# Altium PCB PCB.PcbDoc (part 3 of 3)
Units mil, origin at the board's own origin, x right, y up, seen from the top; angles counter-clockwise.
Board outline 13351.32 x 5672.75 mil, 2 copper layers (Top Layer, Bottom Layer); 207 components, 228 nets, 1294 pads, 403 vias.
Unrouted connection lines stored in the file: 75.
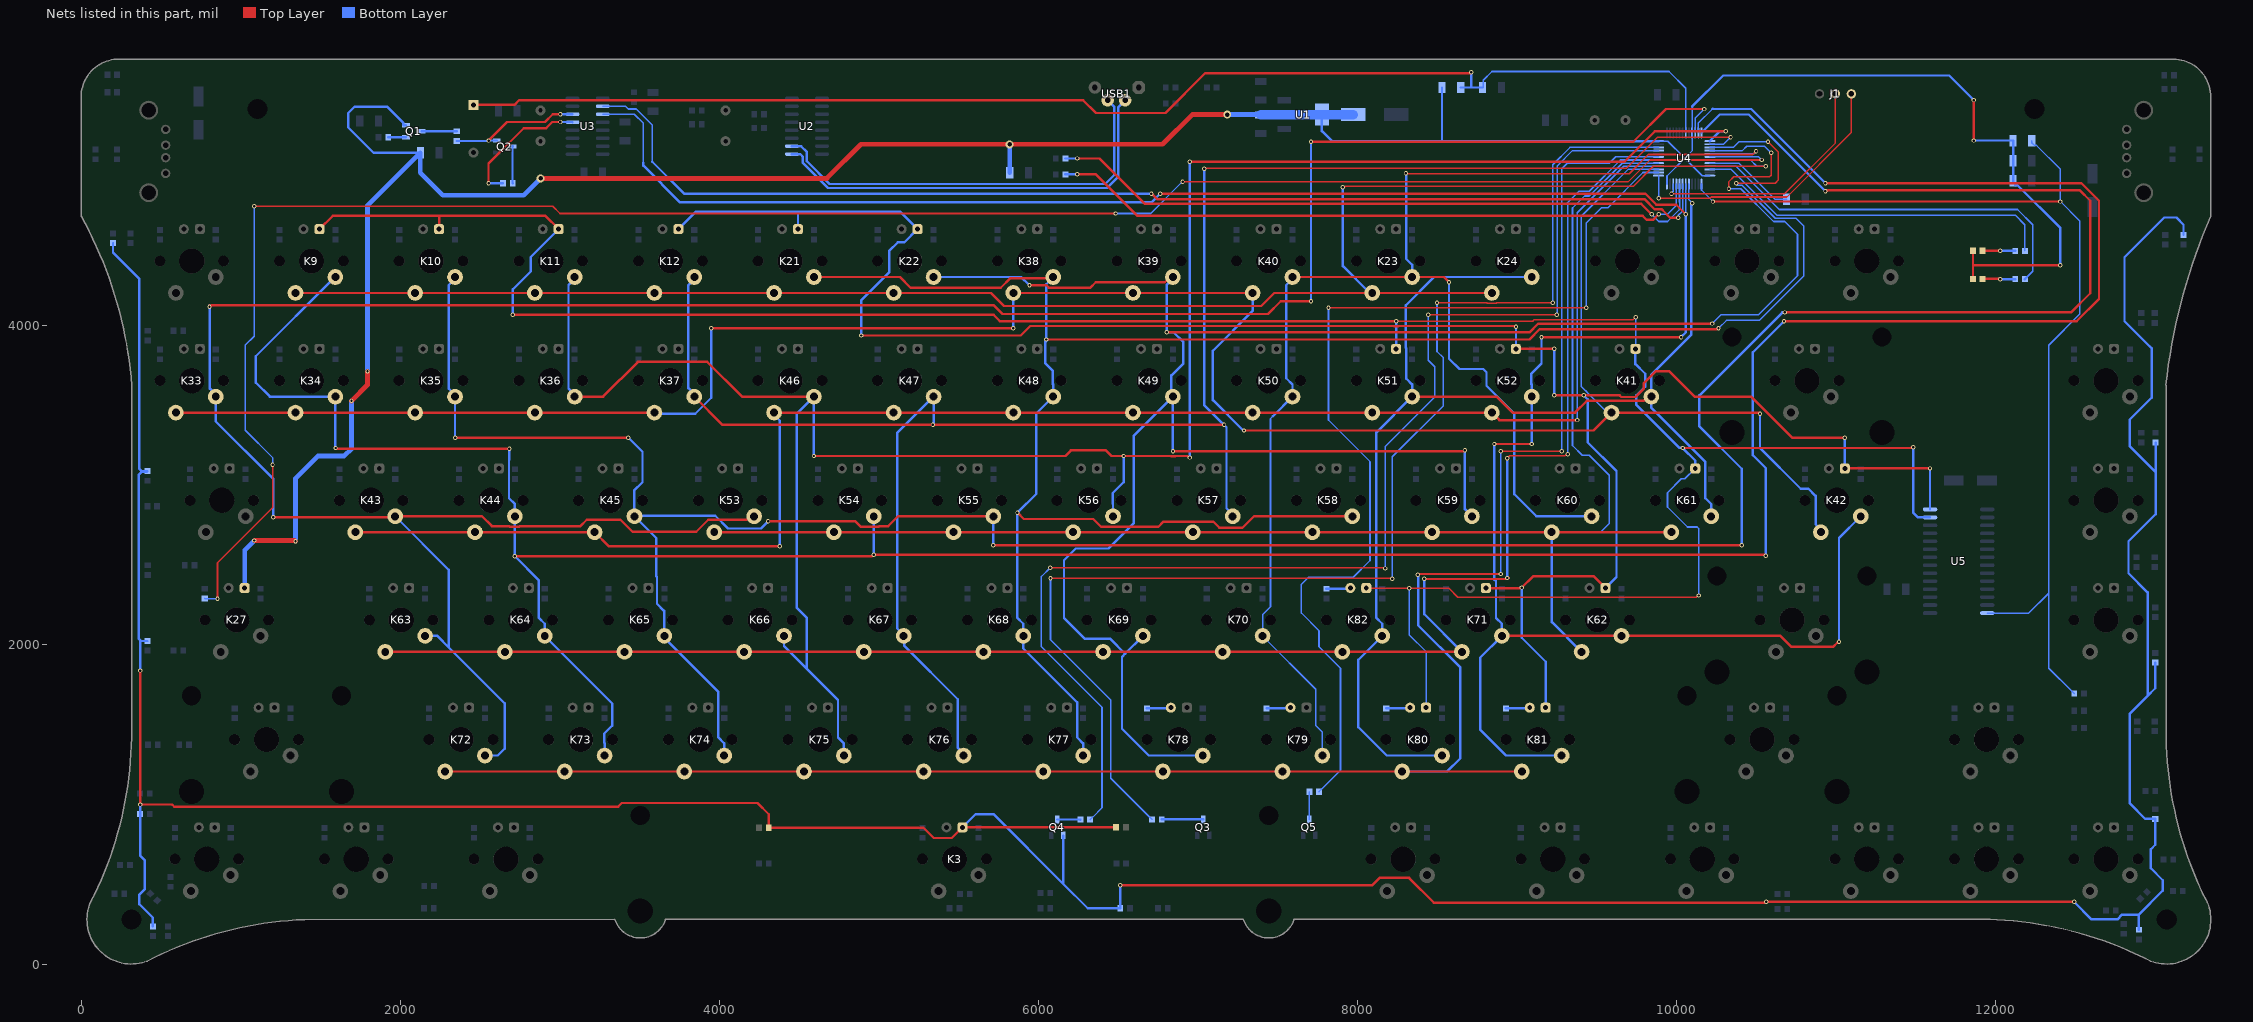
[diagram p3: the nets of this part, all layers, seen from the top]

## Via types
v1: diameter 27, hole 15, Top Layer to Bottom Layer, tented both sides, 230 vias
v2: diameter 27.56, hole 15.75, Top Layer to Bottom Layer, tented both sides, 163 vias
v3: diameter 50, hole 28, Top Layer to Bottom Layer, tented both sides, 10 vias

## Nets (pads, with @x,y where several pads share a name; then routed paths per layer and width w, separated by ;. In a path a pad name is that pad's centre, name@x,y a point inside that pad or via, vN(x,y) a via of type N, cw(c..) or ccw(c..) an arc to the next point about the centre after c; other vN are vias at no path point) (continued)
NetK78_7: K78.7 K78.8 | length 151.9
  Bottom Layer w15: K78.7@6681.43,1602.27 6826.74,1602.27 K78.8@6831.43,1606.96
NetK79_7: K79.7 K79.8 | length 151.9
  Bottom Layer w15: K79.7@7431.43,1602.27 7576.74,1602.27 K79.8@7581.43,1606.96
NetK80_7: K80.7 K80.8 | length 151.9
  Bottom Layer w15: K80.7@8181.43,1602.27 8326.75,1602.27 K80.8@8331.43,1606.96
NetK81_7: K81.7 K81.8 | length 151.9
  Bottom Layer w15: K81.7@8931.43,1602.27 9076.75,1602.27 K81.8@9081.43,1606.96
NetK82_7: K82.7 K82.8 | length 151.9
  Bottom Layer w15: K82.7@7806.43,2352.27 7951.74,2352.27 K82.8@7956.43,2356.96
NetNumLock_K: NumLock.K R47.1 | length 204.7
  Top Layer w15: NumLock.K@11920.63,4295 12028.48,4295 v2(12030,4293.48)
  Bottom Layer w15: v2(12030,4293.48) R47.1@12124.69,4293.48
NetQ1_1: Q1.1 R1.1 | length 110.5
  Bottom Layer w15: R1.1@1925.31,5182.91 Q1.1@2035.79,5182.91
NetQ1_2: Q1.2 R2.1 | length 220.8
  Bottom Layer w15: Q1.2@2134.21,5220.31 R2.1@2355,5220.31
NetQ2_2: Q2.2 R4.1 | length 232
  Bottom Layer w15: R4.1@2705.31,4895 2704.21,4896.1 Q2.2@2704.21,5125 Q2.2@2705.31,5126.1
NetQ2_3: Q2.3 R2.2 U3.14 | length 846.7
  Top Layer w15: v2(2553.94,5162.4) 2670.2,5278.66 2908.66,5278.66 2957.03,5327.03 v2(3005,5327.03)
  Bottom Layer w15: R2.2@2355,5159.68 2547.82,5159.68 2550.54,5162.4 v2(2553.94,5162.4) Q2.3@2605.79,5162.4 ; v2(3005,5327.03) U3.14@3080.51,5327.03
NetQ3_2: Q3.2 R50.2 | length 260.9
  Bottom Layer w15: R50.2@6774.27,906.49 7034.68,906.49 Q3.2@7035,906.17
NetQ4_2: Q4.2 R27.2 | length 146.2
  Bottom Layer w15: Q4.2@6118.95,906.17 6263.51,906.17 R27.2@6264.68,905
NetQ5_2: Q5.2 R49.2 | length 174
  Bottom Layer w10: R49.2@7699.68,1080 7699.68,906.49 Q5.2@7700,906.17
NetR4_2: R4.2 U3.13 | length 849.5
  Top Layer w15: v2(2553.94,4895) 2553.94,5018.94 2775,5240 2915,5240 2953.66,5278.66 v2(3005,5278.66)
  Bottom Layer w15: v2(2553.94,4895) R4.2@2644.68,4895 ; v2(3005,5278.66) 3078.88,5278.66 U3.13@3080.51,5277.03
NetR29_2: R29.2 U4.20 | length 574.6
  Bottom Layer w10: U4.20@10210.28,5020.91 10393.05,5020.91 10618.95,4795 R29.2@10691.34,4795
NetR48_1: R48.1 ScrollLock.K | length 204.7
  Top Layer w15: ScrollLock.K@11920.63,4471.94 12028.48,4471.94 v2(12030,4470.43)
  Bottom Layer w15: v2(12030,4470.43) R48.1@12124.69,4470.43
PA0: K33.5 K43.5 K53.5 K63.5 K72.5 U4.10 | length 17369.1
  Top Layer w15: v1(805,4120) 808.25,4120 819.25,4131 5719,4131 5775,4075 7440,4075 7520,4155 v1(7710,4155) ; v1(1205,2800) 1961.98,2800 K43.5@1968.94,2806.96 2513.04,2806.96 2575,2745 2681.79,2745 2686.55,2740.24 2746.57,2740.24 2751.33,2745 3130,2745 3170,2785 3381.44,2785 3456.44,2710 3856.44,2710 3931.44,2785 4174.41,2785 4196.36,2806.96 K53.5@4218.94,2806.96 ; v1(7710,5155) 9730,5155 9935,5360 v2(10175,5360)
  Bottom Layer w10: U4.10@10118.74,5210.87 10118.74,5303.74 v2(10175,5360)
  Bottom Layer w15: v1(805,4120) 807.14,4117.86 807.14,3607.45 843.94,3570.66 K33.5@843.94,3556.96 843.94,3401.06 1205,3040 v1(1205,2800) ; K43.5@1968.94,2806.96 2305,2470.89 2305,1985 ; K63.5@2156.44,2056.96 2233.04,2056.96 2305,1985 ; K72.5@2531.44,1306.96 2611.96,1306.96 2655,1350 2655,1635 2305,1985 ; v1(7710,4155) v1(7710,5155)
PA1: K9.5 K34.5 K44.5 K54.5 K64.5 K73.5 U4.11 | length 20204.7
  Top Layer w15: v1(1595,3235) 1598.25,3235 1603.25,3230 v1(2685,3230) ; v1(2718.94,2556.06) 4956.76,2556.06 4965.7,2565 v1(4968.95,2565) 10551.75,2565 10556.75,2560 v1(10560,2560) ; v1(10675.17,4030) 12510,4030 12650,4170 12650,4785 12540,4895 v1(10935,4895)
  Bottom Layer w10: U4.11@10138.43,5210.87 10138.43,5271.79 10226.64,5360
  Bottom Layer w15: K9.5@1593.94,4306.94 1591.94,4306.94 1095,3810 1095,3645 1183.04,3556.96 K34.5@1593.94,3556.96 1593.94,3236.06 v1(1595,3235) ; v1(2685,3230) 2685,3162.86 2682.14,3160 2682.14,2920.21 2718.94,2883.42 K44.5@2718.94,2806.96 v1(2718.94,2556.06) 2869.64,2405.36 2869.64,2170.21 2906.44,2133.42 K64.5@2906.44,2056.96 3330,1633.39 3330,1495 3279.44,1444.44 3279.44,1385.42 3281.44,1383.42 K73.5@3281.44,1306.96 ; v1(4968.95,2565) K54.5@4968.95,2806.96 ; 10226.64,5360 10228.97,5362.33 10231.31,5360 10470,5360 v1(10935,4895) ; v1(10560,2560) 10561,2561 10561,3109 10480,3190 10480,3835 10675,4030 v1(10675.17,4030)
PA2: K10.5 K35.5 K45.5 K55.5 K65.5 K74.5 U4.12 | length 18685.7
  Top Layer w15: v1(2345,3300) v1(3430,3300) ; v1(4306.44,2775) 4853.95,2775 4888.71,2740.24 4998.28,2740.24 5003.04,2745 5060,2745 5121.96,2806.96 K55.5@5718.95,2806.96 ; v1(5718.95,2625) v1(10410,2625) ; v1(10680,4085) 12475,4085 12595,4205 12595,4785 12530,4850 10948.85,4850 10945.78,4846.93 10937.3,4846.93 v1(10935,4844.64)
  Bottom Layer w15: K10.5@2343.94,4306.94 2343.94,4295.83 2305,4256.89 2305,3607.01 2343.94,3568.07 K35.5@2343.94,3556.96 2343.94,3301.06 v1(2345,3300) ; v1(3430,3300) 3518.94,3211.06 3518.94,3020 3466.94,2968 3466.94,2808.96 K45.5@3468.94,2806.96 ; K74.5@4031.44,1306.96 4031.44,1383.42 3994.64,1420.21 3994.64,1705.36 3656.44,2043.56 K65.5@3656.44,2056.96 3656.44,2133.42 3654.44,2135.42 3654.44,2214.12 3610,2258.56 3610,2426.96 3605,2431.96 3605,2670.89 K45.5@3468.94,2806.96 ; v1(4306.44,2775) 4261.44,2730 4055,2730 3975,2810 3471.98,2810 K45.5@3468.94,2806.96 ; v1(5718.95,2625) K55.5@5718.95,2806.96 ; U4.12@10158.11,5210.87 10272.95,5325.71 10453.93,5325.71 v1(10935,4844.64) ; v1(10410,2625) 10410,3105 10145,3370 10145,3565 10665,4085 v1(10680,4085)
PA3: K11.5 K36.5 K46.5 K56.5 K66.5 K75.5 U4.13 | length 13735.4
  Top Layer w15: K36.5@3093.94,3556.96 3271.96,3556.96 3490,3775 3925,3775 4143.04,3556.96 K46.5@4593.88,3556.96 ; v1(4593.88,3185) 6170,3185 6205,3220 6425,3220 6460,3185 v1(6535,3185) 6831.16,3185 6832.16,3184 6857.84,3184 6858.84,3185 6936.75,3185 6946.75,3175 v1(6950,3175) ; v1(6950,5030) 7399.15,5030 7399.57,5030.43 7400,5030 9675,5030 9865,5220 v2(10310,5220)
  Bottom Layer w15: K36.5@3093.94,3556.96 3093.94,3568.07 3055,3607.01 3055,4256.89 3093.94,4295.83 K11.5@3093.94,4306.94 ; K66.5@4406.44,2056.96 4406.44,1993.56 4550,1850 ; v1(4593.88,3185) K46.5@4593.88,3556.96 4485,3448.07 4485,2235 4550,2170 4550,1850 ; K75.5@4781.44,1306.96 4781.44,1383.42 4744.64,1420.21 4744.64,1655.36 4550,1850 ; K56.5@6468.95,2806.96 6468.95,2883.42 6466.95,2885.42 6466.95,2951.95 6535,3020 v1(6535,3185) ; v1(6950,3175) v1(6950,5030) ; U4.13@10210.28,5158.7 10271.58,5220 v2(10310,5220)
PA4: K12.5 K37.5 K47.5 K57.5 K67.5 K76.5 U4.14 | length 12639.1
  Top Layer w10: v1(7040,4985) 7043.25,4988.25 7052.61,4988.25 7054.36,4990 9690,4990 9882.91,5182.91 v2(10340,5182.91)
  Top Layer w15: K37.5@3843.94,3556.96 4020.89,3380 v1(5340,3380) v1(7165,3380)
  Bottom Layer w10: U4.14@10210.28,5139.02 10296.1,5139.02 v2(10340,5182.91)
  Bottom Layer w15: K37.5@3843.94,3556.96 3843.94,3573.52 3807.14,3610.31 3807.14,4256.44 3843.94,4293.24 K12.5@3843.94,4306.94 ; v1@5343.87,3392.36 K47.5@5343.87,3556.96 5115,3328.08 5115,2104.52 5156.43,2063.08 K67.5@5156.43,2056.96 5160.97,2052.42 5160.97,1994.03 5495,1660 5495,1628.19 5494.64,1627.83 5494.64,1357.82 5531.43,1321.02 K76.5@5531.43,1306.96 ; v1(7040,4985) 7040,3505 v1(7165,3380) 7180,3365 7180,2857 7218.95,2818.05 K57.5@7218.95,2806.96
PA5: K21.5 K38.5 K48.5 K58.5 K68.5 K77.5 U4.15 | length 13740.5
  Top Layer w10: v1(10375,4895) 10620,4895 10640,4915 10640,5090 v1(10575,5155)
  Top Layer w15: K21.5@4593.88,4306.94 5133.06,4306.94 5200,4240 5765.31,4240 5825.31,4300 6087.01,4300 K38.5@6093.95,4306.94 ; v1(5869.64,2829.64) 5909.27,2790 6345,2790 6394.76,2740.24 6752.33,2740.24 6785.76,2773.67 7096.78,2773.67 7135.45,2735 7280.42,2735 7352.38,2806.96 K58.5@7968.95,2806.96 ; v1(6050,3915) 9078.95,3915 9143.95,3980 10251.51,3980 10254.22,3982.7 10262.7,3982.7 v1(10265,3985)
  Bottom Layer w10: U4.15@10210.28,5119.33 10357.38,5119.33 10393.05,5155 v1(10575,5155) ; v1(10265,3985) 10315,4035 10520,4035 10800,4315 10800,4625 10750,4675 10620,4675 10412.25,4882.75 10382.65,4882.75 10375,4890.4 v1(10375,4895)
  Bottom Layer w15: K38.5@6093.95,4306.94 6093.95,4305.85 6050,4261.9 v1(6050,3915) 6050,3905 6045,3900 6045,3765 6091.95,3718.05 6091.95,3635.42 6093.95,3633.42 K48.5@6093.95,3556.96 5987.43,3450.44 5987.43,2947.43 v1(5869.64,2829.64) 5869.64,2170.21 5906.43,2133.42 K68.5@5906.43,2056.96 5906.43,1978.57 6244.64,1640.36 6244.64,1420.21 6281.43,1383.42 K77.5@6281.43,1306.96
PA6: K22.5 K39.5 K49.5 K59.5 K69.5 K78.5 U4.16 | length 14301.5
  Top Layer w10: v1(10330,4860) 10330,4905 10360,4935 10585,4935 10595,4945 v1(10595,5085)
  Top Layer w15: v1(5945,4255) 6051.55,4255 6066.32,4240.23 6327.24,4240.23 6360.66,4273.66 6793.45,4273.66 6826.74,4306.94 K39.5@6843.95,4306.94 ; v1(6805,3960) 9080,3960 9135,4015 v1(10225,4015) ; v1(6845,3215) 8666.75,3215 8671.75,3220 v1(8675,3220)
  Bottom Layer w10: U4.16@10210.28,5099.65 10414.65,5099.65 10442.03,5127.03 10552.97,5127.03 v1(10595,5085) ; v1(10225,4015) 10280,4070 10515,4070 10760,4315 10760,4575.31 10680.31,4655 10610,4655 10405,4860 v1(10330,4860)
  Bottom Layer w15: K22.5@5343.87,4306.94 5893.06,4306.94 v1(5945,4255) ; K69.5@6656.43,2056.96 6544.9,1945.42 ; K39.5@6843.95,4306.94 6843.95,4295.85 6805,4256.9 v1(6805,3960) 6850,3960 6910,3900 6910,3765 6835,3690 6835,3565.91 K49.5@6843.95,3556.96 ; v1(6845,3215) 6843.95,3216.05 K49.5@6843.95,3556.96 ; K78.5@7031.43,1306.96 6693.04,1306.96 6525,1475 6525,1925.53 6544.9,1945.42 ; v1(8675,3220) 8675,2852 8718.95,2808.05 K59.5@8718.95,2806.96 ; 6544.9,1945.42 6450.31,2040 6290,2040 6161.57,2168.43 6161.57,2531.57 6235,2605 6440,2605 6600,2765 6600,3313.01 K49.5@6843.95,3556.96
PA7: K23.5 K40.5 K50.5 K60.5 K70.5 K79.5 U4.17 | length 9603.7
  Top Layer w10: v1(8305,4956.57) 8306.57,4955 9705,4955 9825,5075 10480,5075 v2(10500,5095)
  Top Layer w15: K40.5@7593.95,4306.94 K23.5@8343.95,4306.94 8543.06,4306.94 v1(8575,4275)
  Bottom Layer w10: 7470,3433.01 7456.43,3419.44 7456.43,2240 7406.43,2190 K70.5@7406.43,2056.96 7740,1723.39 7740,1495 7781.43,1453.57 K79.5@7781.43,1306.96 ; U4.17@10210.28,5079.96 10484.96,5079.96 v2(10500,5095)
  Bottom Layer w15: 7470,3433.01 K50.5@7593.95,3556.96 7593.95,3633.42 7555,3672.37 7555,4256.9 7593.95,4295.85 K40.5@7593.95,4306.94 ; v1(8305,4956.57) 8307.16,4954.42 8307.16,4420.2 8343.95,4383.4 K23.5@8343.95,4306.94 ; v1(8575,4275) 8575,3795 8640,3730 8790,3730 8810,3710 8810,3625 8985,3450 8985,2945 9123.04,2806.96 K60.5@9468.95,2806.96
PA8: K24.5 K41.5 K51.5 K61.5 K80.5 K82.5 U4.29 | length 8229.9
  Top Layer w15: K51.5@8343.95,3556.96 8873.04,3556.96 8973.04,3456.96 9365.91,3456.96 9438.95,3530 9794.42,3530 9821.38,3556.96 K41.5@9843.95,3556.96
  Bottom Layer w10: U4.29@10079.37,4890 10079.37,4790.63 v2(10100,4770)
  Bottom Layer w15: K80.5@8531.43,1306.96 8184.48,1306.96 8006.43,1485 8006.43,1906.96 K82.5@8156.43,2056.96 8156.43,2133.42 8119.64,2170.21 8119.64,2377.83 8120,2378.19 8120,3333.01 K51.5@8343.95,3556.96 8343.95,3633.42 8307.16,3670.21 8307.16,3860 8305,3862.16 8305,4130 8481.94,4306.94 K24.5@9093.95,4306.94 ; v2(10100,4770) 10097.6,4767.6 10097.6,4758.72 10095,4756.12 10095,3946.05 9841.95,3693 9841.95,3635.42 9843.95,3633.42 K41.5@9843.95,3556.96 9843.95,3486.05 10182.16,3147.84 10182.16,2920.21 10218.95,2883.42 K61.5@10218.95,2806.96
PA9: K42.5 K52.5 K62.5 K71.5 K81.5 U3.3 U4.30 | length 15470.6
  Top Layer w15: v2(6765,4830) 9805,4830 9875,4760 9999.69,4760 v2(10059.69,4700) ; v1(8860,3260) v1(9093.95,3260) ; K71.5@8906.43,2056.96 K62.5@9656.43,2056.96 10653.04,2056.96 10719.76,1990.24 10985.24,1990.24 11009,2014 11010.75,2014 11016.75,2020 v1(11020,2020) ; v1(9155,3930) v1(10030,3930)
  Bottom Layer w10: U3.3@3269.49,5327.03 3467.97,5327.03 3525,5270 3525,5025 ; v2(10059.69,4700) U4.30@10059.69,4890
  Bottom Layer w15: 3525,5025 3525,5005 3755,4775 6710,4775 v2(6765,4830) ; v1(8860,3260) 8860,2410 8869.64,2400.36 8869.64,2170.21 8906.43,2133.42 K71.5@8906.43,2056.96 8770,1920.53 8770,1470 8933.04,1306.96 K81.5@9281.43,1306.96 ; v1(9093.95,3260) K52.5@9093.95,3556.96 9093.95,3633.42 9091.95,3635.42 9091.95,3701.95 9155,3765 v1(9155,3930) ; v1(10030,3930) 10059.69,3959.69 v2(10059.69,4700) ; v1(11020,2020) 11020,2670.53 K42.5@11156.43,2806.96
PA10: U3.2 U4.31 | length 7394.8
  Top Layer w15: v2(6710,4830) 6745,4795 9800,4795 9863.72,4731.28 9908.65,4731.28 9914.93,4725 9915,4725 9962.66,4677.34 v2(10012.34,4677.34)
  Bottom Layer w10: U3.2@3269.49,5377.03 3412.97,5377.03 3430,5360 3480,5360 3580,5260 3580,5030 ; v2@10010,4675 v2(10012.34,4677.34) 10012.34,4693.36 10040,4721.01 U4.31@10040,4890
  Bottom Layer w15: 3580,5030 3780,4830 v2(6710,4830)
PA11: R11.1 U4.32 | length 4204.8
  Top Layer w15: v2(6245,5050) 6385,5050 6670,4765 9780,4765 v2(9845,4700)
  Bottom Layer w10: v2(9845,4700) 9890,4655 9945.32,4655 10020.32,4730 10020.32,4747.03 10020.63,4747.35 10020.63,4775 ; 10020.32,4775 U4.32@10020.32,4890
  Bottom Layer w15: R11.1@6170.31,5050 v2(6245,5050)
PA12: R10.1 U4.33 | length 4120.3
  Top Layer w15: v2(6245,4950) 6361.43,4950 6621.43,4690 9790,4690 9815,4665 9854.41,4665 v2(9889.41,4700)
  Bottom Layer w10: v2(9889.41,4700) 9945,4700 10000.63,4755.63 U4.33@10000.63,4890
  Bottom Layer w15: R10.1@6170.31,4950 v2(6245,4950)
PA15: R49.1 U4.38 | length 6373.3
  Top Layer w10: v1(7820,4115) v1(9435,4115)
  Bottom Layer w10: R49.1@7760.31,1080 7760.31,1080.98 7773.62,1094.29 7774.61,1094.29 7895,1214.69 7895,1855 7760.31,1989.69 7760.31,2090 7650,2200.31 7650,2380 7695,2425 7975,2425 8080,2530 8080,3150 7820,3410 v1(7820,4115) ; v1(9435,4115) 9435,4645 9530,4740 9569.6,4740 9791.45,4961.85 U4.38@9889.41,4961.85
PB0: K27.2 U4.18 | length 12717.6
  Top Layer w10: v1(855,2290) 855,2515 1200,2860 v1(1200,3130) ; v1(1085,4750) 2957.03,4750 3002.03,4705 v1(6485,4705) ; v1(6905,4905) 9700,4905 9835.59,5040.59 v2(10535,5040.59)
  Bottom Layer w10: K27.2@775.19,2291.64 776.83,2290 v1(855,2290) ; v1(1085,4750) 1085,3935.56 1029.44,3880 1029.44,3345.56 1200,3175 v1(1200,3130) ; v1(6485,4705) 6705,4705 v1(6905,4905) ; U4.18@10210.28,5060.28 10515.31,5060.28 v2(10535,5040.59)
PB1: K9.4 K10.4 K11.4 K12.4 K21.4 K22.4 K23.4 K24.4 U4.19 | length 11386.8
  Top Layer w10: v1(7910,4870) 7913.25,4873.25 7922.61,4873.25 7924.36,4875 9730,4875 9856.22,5001.22 v2(10560,5001.22)
  Top Layer w15: K9.4@1343.94,4206.94 K10.4@2093.94,4206.94 K11.4@2843.94,4206.94 K12.4@3593.94,4206.94 K21.4@4343.88,4206.94 K22.4@5093.87,4206.94 5703.06,4206.94 5785,4125 7398.06,4125 7480,4206.94 K23.4@8093.95,4206.94 K24.4@8843.95,4206.94
  Bottom Layer w10: U4.19@10210.28,5040.59 10465.63,5040.59 10505,5001.22 v2(10560,5001.22)
  Bottom Layer w15: v1(7910,4870) 7910,4375 8078.06,4206.94 K23.4@8093.95,4206.94
PB3: K33.4 K34.4 K35.4 K36.4 K37.4 K38.4 K39.4 K40.4 K41.4 K42.4 U4.39 | length 14644.6
  Top Layer w15: K33.4@593.94,3456.96 K34.4@1343.94,3456.96 K35.4@2093.94,3456.96 K36.4@2843.94,3456.96 K37.4@3593.94,3456.96 ; v1(3950,3985) v1(5843.95,3985) ; K38.4@5843.95,4206.94 K39.4@6593.95,4206.94 K40.4@7343.95,4206.94 ; v1(7290,3345) 9481.99,3345 K41.4@9593.95,3456.96 10514.8,3456.96 10521.75,3450 v1(10525,3450)
  Bottom Layer w10: K41.4@9593.95,3456.96 9568.04,3456.96 9448.5,3576.5 9448.5,3576.8 9431.81,3593.5 9431.5,3593.5 9405,3620 9405,4688.57 9697.96,4981.53 U4.39@9889.41,4981.53
  Bottom Layer w15: K37.4@3593.94,3456.96 3600.89,3450 3850,3450 3950,3550 v1(3950,3985) ; v1(5843.95,3985) K38.4@5843.95,4206.94 ; v1(7290,3345) 7285,3345 7095,3535 7095,3845 7343.95,4093.95 K40.4@7343.95,4206.94 ; v1(10525,3450) 10525,3234.86 10779.86,2980 10828.17,2980 10873.17,2935 10873.17,2757.45 10906.43,2724.2 K42.4@10906.43,2706.96
PB4: K43.4 K44.4 K45.4 K46.4 K47.4 K48.4 K49.4 K50.4 K51.4 K52.4 U4.40 | length 10534.6
  Top Layer w15: K43.4@1718.94,2706.96 K44.4@2468.94,2706.96 K45.4@3218.94,2706.96 3219.48,2706.96 3306.44,2620 v1(4380,2620) ; K46.4@4343.88,3456.96 K47.4@5093.87,3456.96 K48.4@5843.95,3456.96 K49.4@6593.95,3456.96 K50.4@7343.95,3456.96 K51.4@8093.95,3456.96 K52.4@8843.95,3456.96 8890.91,3410 v1(9380,3410)
  Bottom Layer w10: v1(9380,3410) 9380,4710 9671.22,5001.22 U4.40@9889.41,5001.22
  Bottom Layer w15: K46.4@4343.88,3456.96 4343.88,3442.57 4380,3406.46 v1(4380,2620)
PB5: K53.4 K54.4 K55.4 K56.4 K57.4 K58.4 K59.4 K60.4 K61.4 K62.4 U4.41 | length 9967.5
  Top Layer w15: K53.4@3968.94,2706.96 K54.4@4718.95,2706.96 K55.4@5468.95,2706.96 K56.4@6218.95,2706.96 K57.4@6968.95,2706.96 K58.4@7718.95,2706.96 K59.4@8468.95,2706.96 K60.4@9218.95,2706.96 K61.4@9968.95,2706.96
  Bottom Layer w10: K60.4@9218.95,2706.96 9525,2706.96 9580,2761.96 9580,3065 9455,3190 9410,3190 9349.33,3250.67 9349.33,4739.33 9425,4815 9455,4815 9660.91,5020.91 U4.41@9889.41,5020.91
  Bottom Layer w15: K60.4@9218.95,2706.96 9220,2705.91 9220,2143.39 K62.4@9406.43,1956.96
PB6: K63.4 K64.4 K65.4 K66.4 K67.4 K68.4 K69.4 K70.4 K71.4 K82.4 U4.42 | length 11247.6
  Top Layer w10: v1@8940,3160 v1@8945,3165 ; v1(8940,3170) 8956.5,3186.5 9301.73,3186.5 9306.98,3191.75 9315.7,3191.75 v1(9318.95,3195)
  Top Layer w15: K63.4@1906.44,1956.96 K64.4@2656.44,1956.96 K65.4@3406.44,1956.96 K66.4@4156.44,1956.96 K67.4@4906.43,1956.96 K68.4@5656.43,1956.96 K69.4@6406.43,1956.96 K70.4@7156.43,1956.96 K82.4@7906.43,1956.96 K71.4@8656.43,1956.96 ; v1(8420,2415) 8421,2414 8930.75,2414 8936.75,2420 v1(8940,2420) v1@8949.43,2420
  Bottom Layer w10: v1(9318.95,3195) 9318.95,4765.69 9315,4769.64 9390,4844.64 9453.73,4844.64 9649.68,5040.59 U4.42@9889.41,5040.59
  Bottom Layer w15: v1(8420,2415) 8420,2193.39 K71.4@8656.43,1956.96 ; v1(8940,2420) v1(8940,3170)
PB7: K72.4 K73.4 K74.4 K75.4 K76.4 K77.4 K78.4 K79.4 K80.4 K81.4 U4.43 | length 12492.7
  Top Layer w10: v1(8380,2440) 8384.6,2440 8389.6,2445 v1(8900,2445) ; v1(8900,3215) v1(9281.43,3215)
  Top Layer w15: K72.4@2281.44,1206.96 K73.4@3031.44,1206.96 K74.4@3781.44,1206.96 K75.4@4531.44,1206.96 K76.4@5281.43,1206.96 K77.4@6031.43,1206.96 K78.4@6781.43,1206.96 K79.4@7531.43,1206.96 K80.4@8281.43,1206.96 K81.4@9031.43,1206.96
  Bottom Layer w10: v1(8900,2445) v1(8900,3215) ; v1(9281.43,3215) 9281.43,4985 9316.43,5020 9580,5020 9620.28,5060.28 U4.43@9889.41,5060.28
  Bottom Layer w15: K80.4@8281.43,1206.96 8563.6,1206.96 8646.64,1290 8646.64,1858.36 8381.43,2123.57 8381.43,2438.57 v1(8380,2440)
PB8: R27.1 U4.45 | length 8033.1
  Top Layer w10: v1(6075,2485) v1@8165.4,2485 ; v1(8445,4070) v1(9250,4070)
  Bottom Layer w10: v1(6075,2485) 6020,2430 6020,1989.68 6400,1609.68 6400,979.69 6339.61,919.29 6338.62,919.29 6325.31,905.98 R27.1@6325.31,905 ; v1(8175,2480) 8175,3245 8485,3555 8485,3745 8445,3785 v1(8445,4070) ; v1(9250,4070) 9253.25,4073.25 9253.25,4082.61 9255,4084.36 9255,5005 9349.33,5099.33 9524.33,5099.33 ; 9524.65,5099.33 9524.33,5099.33 ; U4.45@9889.41,5099.65 9524.65,5099.65 9524.33,5099.33
PB9: R50.1 U4.46 | length 8102.1
  Top Layer w10: v1(6076.74,2418.26) 8212.14,2418.26 8215.4,2415 v1(8220,2415) ; v1(8500,4145) 8812.82,4145 8815.08,4142.73 8870.55,4142.73 8872.82,4145 v1(9225,4145)
  Bottom Layer w10: v1(6076.74,2418.26) 6076.74,2391.75 6076.74,2033.26 6455,1655 6455,1165.12 6699.34,920.78 6700.33,920.78 6713.64,907.47 R50.1@6713.64,906.49 ; v1(8220,2415) 8220,3180 8540,3500 8540,3800 8500,3840 v1(8500,4145) ; v1(9225,4145) 9225.17,4145.17 9225.17,5011.22 9333.28,5119.33 U4.46@9889.41,5119.33
PB10: R47.2 U4.21 | length 2538.9
  Bottom Layer w10: U4.21@10210.28,5001.22 10373.78,5001.22 10645,4730 12139.68,4730 12235,4634.68 12235,4343.17 R47.2@12197.11,4305.28
  Bottom Layer w15: R47.2@12185.32,4293.48 12185.32,4294.47 12196.12,4305.28 R47.2@12197.11,4305.28
PB11: R48.2 U4.22 | length 2283
  Bottom Layer w10: U4.22@10210.28,4981.53 10343.95,4981.53 10630.48,4695 12125,4695 12185.32,4634.68 R48.2@12185.32,4470.43
RESET: C13.2 D1.1 R3.1 U4.7 | length 8300.2
  Top Layer w15: D1.1@2460,5386.22 2716.22,5386.22 2745,5415 6281.43,5415 6361.43,5335 6796.97,5335 7046.97,5585 8710,5585 v2(8715,5590)
  Bottom Layer w10: C13.2@8786.34,5495 8789.58,5498.24 8789.58,5539.58 8845,5595 9955,5595 10059.69,5490.31 U4.7@10059.69,5210.87
  Bottom Layer w15: R3.1@8648.66,5495 8715,5495 ; v2(8715,5590) 8715,5495 ; C13.2@8786.34,5495 8715,5495
S_LED: D2.A D3.A D17.A D18.A D19.A D20.A D21.A D22.A D23.A D24.A D26.A D27.A D28.A K3.1 Q4.1 | length 24844.2
  Top Layer w15: v2(369.69,1840) v2(369.69,1000) 570,1000 584.04,985.96 3365.96,985.96 3389.46,1009.46 4240,1009.46 4310.31,939.14 D2.A@4310.31,854.38 5280.62,854.38 5345,790 5458.17,790 K3.1@5525.13,856.96 6488.18,856.96 D3.A@6488.64,857.42 ; v2(6514.69,495) 8095,495 8140,540 8325,540 8480,385 10551.12,385 10553.72,387.6 10562.6,387.6 v2(10565,390) v2(12493.95,390)
  Bottom Layer w15: D22.A@200,4519.69 200,4460 365,4295 365,3103.99 378.68,3090.32 D23.A@415,3090.32 411.68,3087 382,3087 360,3065 360,2040 375,2025 ; v2(369.69,1000) D27.A@369.69,940 369.69,680.32 400,650 400,470 365,435 365,375 450,290 D18.A@450,235.31 ; v2(369.69,1840) 369.69,2019.68 375,2025 ; D21.A@415,2025.32 414.69,2025 375,2025 ; K3.1@5525.13,856.96 5608.17,940 5720,940 6156.35,503.65 ; Q4.1@6156.35,803.06 6156.35,503.65 ; v2(6514.69,495) D26.A@6514.69,350 6310,350 6156.35,503.65 ; v2(12493.95,390) 12603.95,280 12765,280 12795,310 12900,310 ; D28.A@12900,215.31 12900,310 ; D19.A@13003.03,1889.68 13003.03,1729.08 12955,1681.05 ; D17.A@13005,3269.68 13005,3085 ; D24.A@13180,4570.31 13180,4635 13135,4680 13059.37,4680 12810,4430.63 12810,4030 12970,3870 12971.21,3870 12980,3861.21 12980,3550 12841.95,3411.95 12841.95,3248.05 13005,3085 ; 12900,310 13050,460 13050,525 12975,600 12975,720 13003.03,748.03 D20.A@13003.03,909.68 12940.32,909.68 12843.95,1006.05 12843.95,1570 12955,1681.05 ; 12955,1681.05 12955,2330 12835,2450 12835,2650 13005,2820 13005,3085
SEG9: K9.1 K10.1 K11.1 K41.1 K51.1 K61.1 K80.1 K82.1 U5.13 | length 16588
  Top Layer w10: K82.1@8056.43,2356.96 8058.39,2355 v1(8326.75,2355) 8575,2355 8630,2300 10125.64,2300 10135.64,2310 v1(10140,2310) ; v1(8245,4030) 9100,4030 9110,4040 9729.86,4040 v1(9745,4055.14)
  Top Layer w15: K9.1@1493.94,4606.94 1576.99,4690 2250,4690 ; K10.1@2243.94,4606.94 2243.94,4683.94 2250,4690 ; v1(2706.44,4070) 5720,4070 5760,4030 v1(8245,4030) ; K11.1@2993.94,4606.94 2910.88,4690 2250,4690 ; v1(10040,3234.86) 11471.37,3234.86 11474.22,3237.7 11482.7,3237.7 v1(11485,3240)
  Bottom Layer w10: v1(8326.75,2355) 8325,2353.26 8325,2065 8431.43,1958.57 K80.1@8431.43,1606.96 ; K41.1@9743.95,3856.96 9745,3858.01 v1(9745,4055.14) ; K61.1@10118.95,3106.96 10053.64,3041.64 10031.64,3041.64 9945,2955 9945,2864.95 10069.95,2740 10130,2740 10140,2730 v1(10140,2310)
  Bottom Layer w15: v1(2706.44,4070) 2706.44,4230 2818.38,4341.94 2818.38,4431.39 K11.1@2993.94,4606.94 ; K51.1@8243.95,3856.96 8245,3858.01 v1(8245,4030) ; K41.1@9743.95,3856.96 9743.95,3761.05 9805,3700 9805,3620 9750,3565 9750,3505 10019.62,3235.38 10039.47,3235.38 v1(10040,3234.86) 10118.95,3155.91 K61.1@10118.95,3106.96 ; v1(11485,3240) 11485,2830 11515,2800 U5.13@11590.87,2800
SEG10: K12.1 K21.1 K22.1 K42.1 K52.1 K62.1 K71.1 K81.1 U5.14 | length 13343.8
  Top Layer w15: v1(4890,3940) 5890,3940 5950,4000 8230.16,4000 8231.16,3999 8257.84,3999 8258.84,4000 8981.51,4000 8984.22,3997.3 8992.7,3997.3 v1(8995,3995) ; K71.1@8806.43,2356.96 9019.9,2356.96 v1@9020.65,2357.7 ; K52.1@8993.95,3856.96 v1(9235,3856.96) ; v1(9031.43,2360) 9101.43,2430 9483.39,2430 K62.1@9556.43,2356.96 ; v1(9235,3565) v1(9420,3565) 9644.89,3565 9654.89,3555 9745,3555 9795,3605 9795,3640 9870,3715 9956.96,3715 10115,3556.96 10468.22,3556.96 10725.17,3300 v1(11056.43,3300) ; K42.1@11056.43,3106.96 v1(11590.87,3106.96)
  Bottom Layer w15: K12.1@3743.94,4606.94 3851.99,4715 4493.91,4715 ; K21.1@4493.88,4606.94 4493.88,4714.98 ; v1(4890,3940) 4890,4160 5065,4335 5065,4470 5120,4525 5161.93,4525 K22.1@5243.87,4606.94 5135.82,4715 4493.91,4715 ; K52.1@8993.95,3856.96 8995,3858.01 v1(8995,3995) ; v1(9031.43,2360) 9031.43,2045 9181.43,1895 K81.1@9181.43,1606.96 ; v1(9235,3565) v1(9235,3856.96) ; v1(9420,3565) 9445,3540 9445,3270 9625,3090 9625,2425.53 K62.1@9556.43,2356.96 ; K42.1@11056.43,3106.96 v1(11056.43,3300) ; U5.14@11590.87,2850 v1(11590.87,3106.96)
STB: C20.2 R6.1 U4.25 U5.28 | length 6501.6
  Top Layer w15: v2(10230,4780) v2(12408,4780)
  Bottom Layer w10: U4.25@10158.11,4890 10158.11,4851.89 v2(10230,4780) ; U5.28@11949.13,2200 12210,2200 12335,2325 ; R6.1@12228.66,5161.34 12228.66,5149.14 12245.91,5131.89 12258.11,5131.89 12408,4982 v2(12408,4780) 12408.7,4780 12530,4658.7 12530,4074.79 12335,3879.79 12335,2325 ; C20.2@12494.68,1695 12494.68,1695.98 12481.38,1709.29 12480.39,1709.29 12335,1854.68 12335,2325
SWCLK: J1.3 U4.37 | length 1763.7
  Top Layer w10: v2(9889.41,4800) 10209.3,4800 10218.08,4808.78 10693.78,4808.78 11097.65,5212.65 J1.3@11097.65,5455
  Bottom Layer w10: v2(9889.41,4800) U4.37@9889.41,4942.16
SWDIO: J1.2 U4.34 | length 1531.1
  Top Layer w10: v2(9970,4830) 10680,4830 10997.65,5147.65 J1.2@10997.65,5455
  Bottom Layer w10: v2(9970,4830) 9970,4833.69 9980.95,4844.64 U4.34@9980.95,4890
USBD_N: U2.9 USB1.2 | length 2682.2
  Bottom Layer w15: U2.9@4455.51,5077.03 4507.72,5077.03 4524.75,5060 4524.75,5022.44 4682.18,4865 6430.36,4865 6502.5,4937.14 6502.5,5372.5 USB1.2@6545,5415
USBD_P: U2.10 USB1.3 | length 2663.2
  Bottom Layer w15: U2.10@4455.51,5127.03 4513.82,5127.03 4549.75,5091.1 4549.75,5032.79 4692.54,4890 6420,4890 6477.5,4947.5 6477.5,5372.5 USB1.3@6435,5415
VCC: C5.1 C6.1 K27.1 NumLock.A Q1.3 R3.2 R5.1 R6.2 R7.2 R8.2 R9.2 ScrollLock.A U1.2 U4.9 U4.24 U4.36 U4.48 | length 18483.7
  Top Layer w15: NumLock.A@11860,4295 11860,4375 ; ScrollLock.A@11860,4471.94 11860,4375 ; v2(11865,5162.4) v2(11865,5416.34) ; v2(12408,4380) 11865,4380 11860,4375
  Top Layer w30: v1(1085,2655) 1338.94,2655 v1(1343.94,2650) ; v1(1695,3530) 1795,3630 v1(1795,3715) ; v3(2880,4925) 4675,4925 4889.02,5139.02 v3(5821.34,5139.02) 6779.02,5139.02 6965,5325 v3(7185,5325)
  Bottom Layer w10: U4.48@9889.41,5158.7 9946.3,5158.7 10048.13,5056.87 10053.29,5051.71 ; U4.36@9941.58,4890 9941.58,4940 10053.29,5051.71 ; 10099.06,5375 U4.9@10099.06,5210.87 10099.06,5097.48 10053.29,5051.71 ; U4.24@10210.28,4942.16 10162.84,4942.16 10053.29,5051.71
  Bottom Layer w15: Q1.3@2035.79,5257.72 2024.96,5257.72 2018.68,5264 2018.68,5274.82 1918.5,5375 1715,5375 1675,5335 1675,5245 1833.78,5086.22 R5.1@2126.34,5086.22 ; C6.1@7394.45,5325 C6.1@7395.79,5323.66 ; U1.2@7778.11,5325 7778.11,5323.66 7778.11,5221.89 7841.3,5158.7 8530,5158.7 ; R3.2@8531.34,5495 8531.34,5160.04 8530,5158.7 ; U4.48@9889.41,5158.7 8530,5158.7 ; 10099.06,5375 10294.06,5570 11711.34,5570 v2(11865,5416.34) ; v2(11865,5162.4) 12110.28,5162.4 R6.2@12111.34,5161.34 R7.2@12111.34,5035.67 R8.2@12111.34,4910 12111.34,4896.81 12126.08,4882.07 12139.27,4882.07 12408,4613.34 v2(12408,4380)
  Bottom Layer w30: K27.1@1025.19,2356.96 1025.19,2595.19 v1(1085,2655) ; v1(1343.94,2650) 1343.94,3043.94 1485,3185 1648.94,3185 1695,3231.06 v1(1695,3530) ; v1(1795,3715) 1795,4754.88 2105.91,5065.78 2119.09,5065.78 R5.1@2126.34,5073.03 ; R5.1@2126.34,5086.22 R5.1@2126.34,5073.03 ; v3(2880,4925) 2775,4820 2266.34,4820 2126.34,4960 R5.1@2126.34,5073.03 ; R9.2@5821.34,4960 v3(5821.34,5139.02) ; v3(7185,5325) C6.1@7394.45,5325
  Bottom Layer w60: C6.1@7395.79,5323.66 7778.11,5323.66 7972.83,5323.66 C5.1@7974.17,5325
pads on no net: K1. K2. K3. K4. K5. K6. K7. K8. K9. K9.3 K9.6 K10. K10.3 K10.6 K11. K11.3 K11.6 K12. K12.3 K12.6 K13. K14. K15. K16. K17. K18. K19. K20. K21. K21.3 K21.6 K22. K22.3 K22.6 K23. K23.3 K23.6 K24. K24.3 K24.6 K25. K26. K27. K28. K29. K30. K31. K32. K33. K33.3 K33.6 K34. K34.3 K34.6 K35. K35.3 K35.6 K36. K36.3 K36.6 K37. K37.3 K37.6 K38. K38.3 K38.6 K39. K39.3 K39.6 K40. K40.3 K40.6 K41. K41.3 K41.6 K42. K42.3 K42.6 K43. K43.3 K43.6 K44. K44.3 K44.6 K45. K45.3 K45.6 K46. K46.3 K46.6 K47. K47.3 K47.6 K48. K48.3 K48.6 K49. K49.3 K49.6 K50. K50.3 K50.6 K51. K51.3 K51.6 K52. K52.3 K52.6 K53. K53.3 K53.6 K54. K54.3 K54.6 K55. K55.3 K55.6 K56. K56.3 K56.6 K57. K57.3 K57.6 K58. K58.3 K58.6 K59. K59.3 K59.6 K60. K60.3 K60.6 K61. K61.3 K61.6 K62. K62.3 K62.6 K63. K63.3 K63.6 K64. K64.3 K64.6 K65. K65.3 K65.6 K66. K66.3 K66.6 K67. K67.3 K67.6 K68. K68.3 K68.6 K69. K69.3 K69.6 K70. K70.3 K70.6 K71. K71.3 K71.6 K72. K72.3 K72.6 K73. K73.3 K73.6 K74. K74.3 K74.6 K75. K75.3 K75.6 K76. K76.3 K76.6 K77. K77.3 K77.6 K78. K78.3 K78.6 K79. K79.3 K79.6 K80. K80.3 K80.6 K81. K81.3 K81.6 K82. K82.3 K82.6 U3.9 U3.10 U3.11 U3.12 U3.15 U4.1 U4.2 U4.3 U4.4 U4.27 USB2.5 USB3.5

## Polygon pours and split planes (outlines as drawn)
no net on Mechanical 1 (none, remove dead copper): 415.74,18.7 ccw(c415.65,18.95) 415.76,18.71 ccw(c415.65,18.95) 415.77,18.72 cw(c1491.98,-2061.36) 1400.58,278.85 3346.4,279.33 ccw(c3351.36,280.04) 3346.6,278.49 ccw(c3505,330) 3662.92,277.01 ccw(c3658.16,278.61) 3663.18,278.61 ccw(c3658.16,278.61) 3663.11,279.41 7286.36,280.29 ccw(c7291.36,280.04) 7286.6,278.49 ccw(c7445,330) 7602.92,277.01 ccw(c7598.16,278.61) 7603.18,278.61 ccw(c7598.16,278.61) 7602.86,280.37 11968.75,281.44 ccw(c11968.75,281.7) 11969.02,281.7 ccw(c11968.75,281.7) 11968.75,281.97 7602.62,280.9 ccw(c7598.16,278.61) 7593.41,280.2 cw(c7445,330) 7296.13,281.59 ccw(c7291.36,280.04) 7286.41,280.82 3663,279.94 ccw(c3658.16,278.61) 3653.41,280.2 cw(c3505,330) 3356.13,281.59 ccw(c3351.36,280.04) 3346.35,279.86 1400.59,279.38 ccw(c1400.58,279.12) 1400.57,279.38 ccw(c1400.58,279.12) 1400.57,279.38 ccw(c1491.98,-2061.36) 415.54,19.19 cw(c315.4,278.86) 83.75,433.11 ccw(c83.53,433.25) 83.77,433.14 ccw(c-2044.12,1455.24) 316.26,1420.51 ccw(c315.99,1420.53) 316.26,1420.52 318.25,3625.25 ccw(c317.99,3625.25) 318.25,3625.25 ccw(c317.99,3625.25) 318.25,3625.27 ccw(c-2259.25,3433.87) 0.52,4688.31 0.52,5436.27 ccw(c0.25,5436.27) 0.52,5436.28 cw(c236.47,5436.27) 236.47,5672.23 13118.25,5672.23 ccw(c13118.25,5672.49) 13118.25,5672.23 cw(c13114.37,5436.25) 13350.38,5436.27 13350.38,4688.3 ccw(c16661.68,3242) 13069.01,3628.3 ccw(c13068.95,3625.25) 13065.9,3625.25 13065.9,1422.69 ccw(c13068.95,1422.69) 13070.85,1420.31 ccw(c15447.78,1460.75) 13304.1,433.1 ccw(c13304.35,433.21) 13304.11,433.09 ccw(c13304.35,433.21) 13304.13,433.06 cw(c13072.47,278.82) 13350.78,278.82 cw(c13072.47,278.82) 12972.33,19.15 cw(c13072.47,278.82) 12972.32,19.16 12972.33,19.15 ccw(c11888.37,-2081.06) 12008.14,279.35 ccw(c12008.12,279.09) 12008.11,278.82 cw(c11888.37,-2081.06) 12972.1,18.68 ccw(c12972.23,18.91) 12972.14,18.66 ccw(c13072.47,278.82) 13351.31,278.82 ccw(c13072.47,278.82) 13304.58,433.34 cw(c15447.78,1460.75) 13071.38,1420.53 ccw(c13071.12,1420.53) 13071.28,1420.73 ccw(c13068.95,1422.69) 13072,1422.69 13072,3625.25 ccw(c13068.95,3625.25) 13069.54,3628.24 cw(c16661.68,3242) 13350.88,4688.13 ccw(c13350.64,4688.24) 13350.89,4688.14 ccw(c13350.64,4688.24) 13350.91,4688.24 13350.91,5436.27 ccw(c13114.37,5436.25) 13118.25,5672.76 ccw(c13114.37,5436.25) 13110.48,5672.76 236.47,5672.76 ccw(c236.47,5436.27) -0.01,5436.27 ccw(c0.25,5436.27) -0.01,5436.27 -0.01,4688.24 ccw(c0.25,4688.24) 0.02,4688.11 0.01,4688.12 ccw(c0.25,4688.24) 0.02,4688.11 cw(c-2259.25,3433.87) 317.72,3625.24 315.73,1420.54 315.73,1420.53 cw(c315.99,1420.53) 315.73,1420.53 cw(c-2044.12,1455.24) 83.3,433.38 ccw(c315.4,278.86)
GND on Top Layer "Top Layer-GND" (hatched 45Degree grid 30 track 10, remove dead copper, pour order 2): 0,0 13380,0 13365,15 13365,5875 40,5875 0,5835
GND on Bottom Layer "Bottom Layer-GND" (solid, remove dead copper, pour order 0): 0,0 0,5720 13480,5720 13495,5735 13495,0

## Keep-outs
Keep-Out Layer:
  lines w0.5: 3351.36,279.6 1400.58,279.12 ccw(c1491.98,-2061.36) 415.65,18.95 cw(c315.4,278.86) 83.53,433.25 ccw(c-2044.12,1455.24) 315.99,1420.53 317.99,3625.25 ccw(c-2259.25,3433.87) 0.25,4688.24 0.25,5436.27 cw(c236.47,5436.27) 236.47,5672.49 13118.25,5672.49 ; 3658.16,279.67 7291.36,280.56 ; 7598.16,280.63 11968.75,281.7 ; 12008.12,279.09 cw(c11888.37,-2081.06) 12972.23,18.91 ccw(c13072.47,278.82) 13304.35,433.21 cw(c15447.78,1460.75) 13071.12,1420.53 ; 13068.95,3625.25 cw(c16661.68,3242) 13350.64,4688.24 13350.64,5436.27 ccw(c13114.37,5436.25) 13110.49,5672.49
  lines w6.06: 13068.95,1422.69 13068.95,3625.25
  lines w10: 3351.36,280.04 ccw(c3505,330) 3658.16,278.61 ; 7291.36,280.04 ccw(c7445,330) 7598.16,278.61 ; 11971.63,278.82 12008.11,278.82

## Other copper
Bottom Layer:
  pour cut-out: 6565,5662.04 6565,5270 8088.06,5270 8088.06,5475 7375,5475 7320,5530 7320,5672.49 6575.45,5672.49

## Silkscreen, mask and mechanical layers (free items; w line width, h text height)
Top Overlay:
  drawing of 186 lines, arcs and shapes, not listed
  text "D" at 10987.65,5390 h30 r180
  text "C" at 11092.65,5390 h30 r180
  text "G" at 10887.65,5360 h30
Mechanical 1:
  drawing of 310 lines, arcs and shapes, not listed
Drill Drawing:
  text "'.Legend'D" at 12400,5590 h30